# Altium PCB PCB2-v2.PcbDoc (part 5 of 8) (continued)
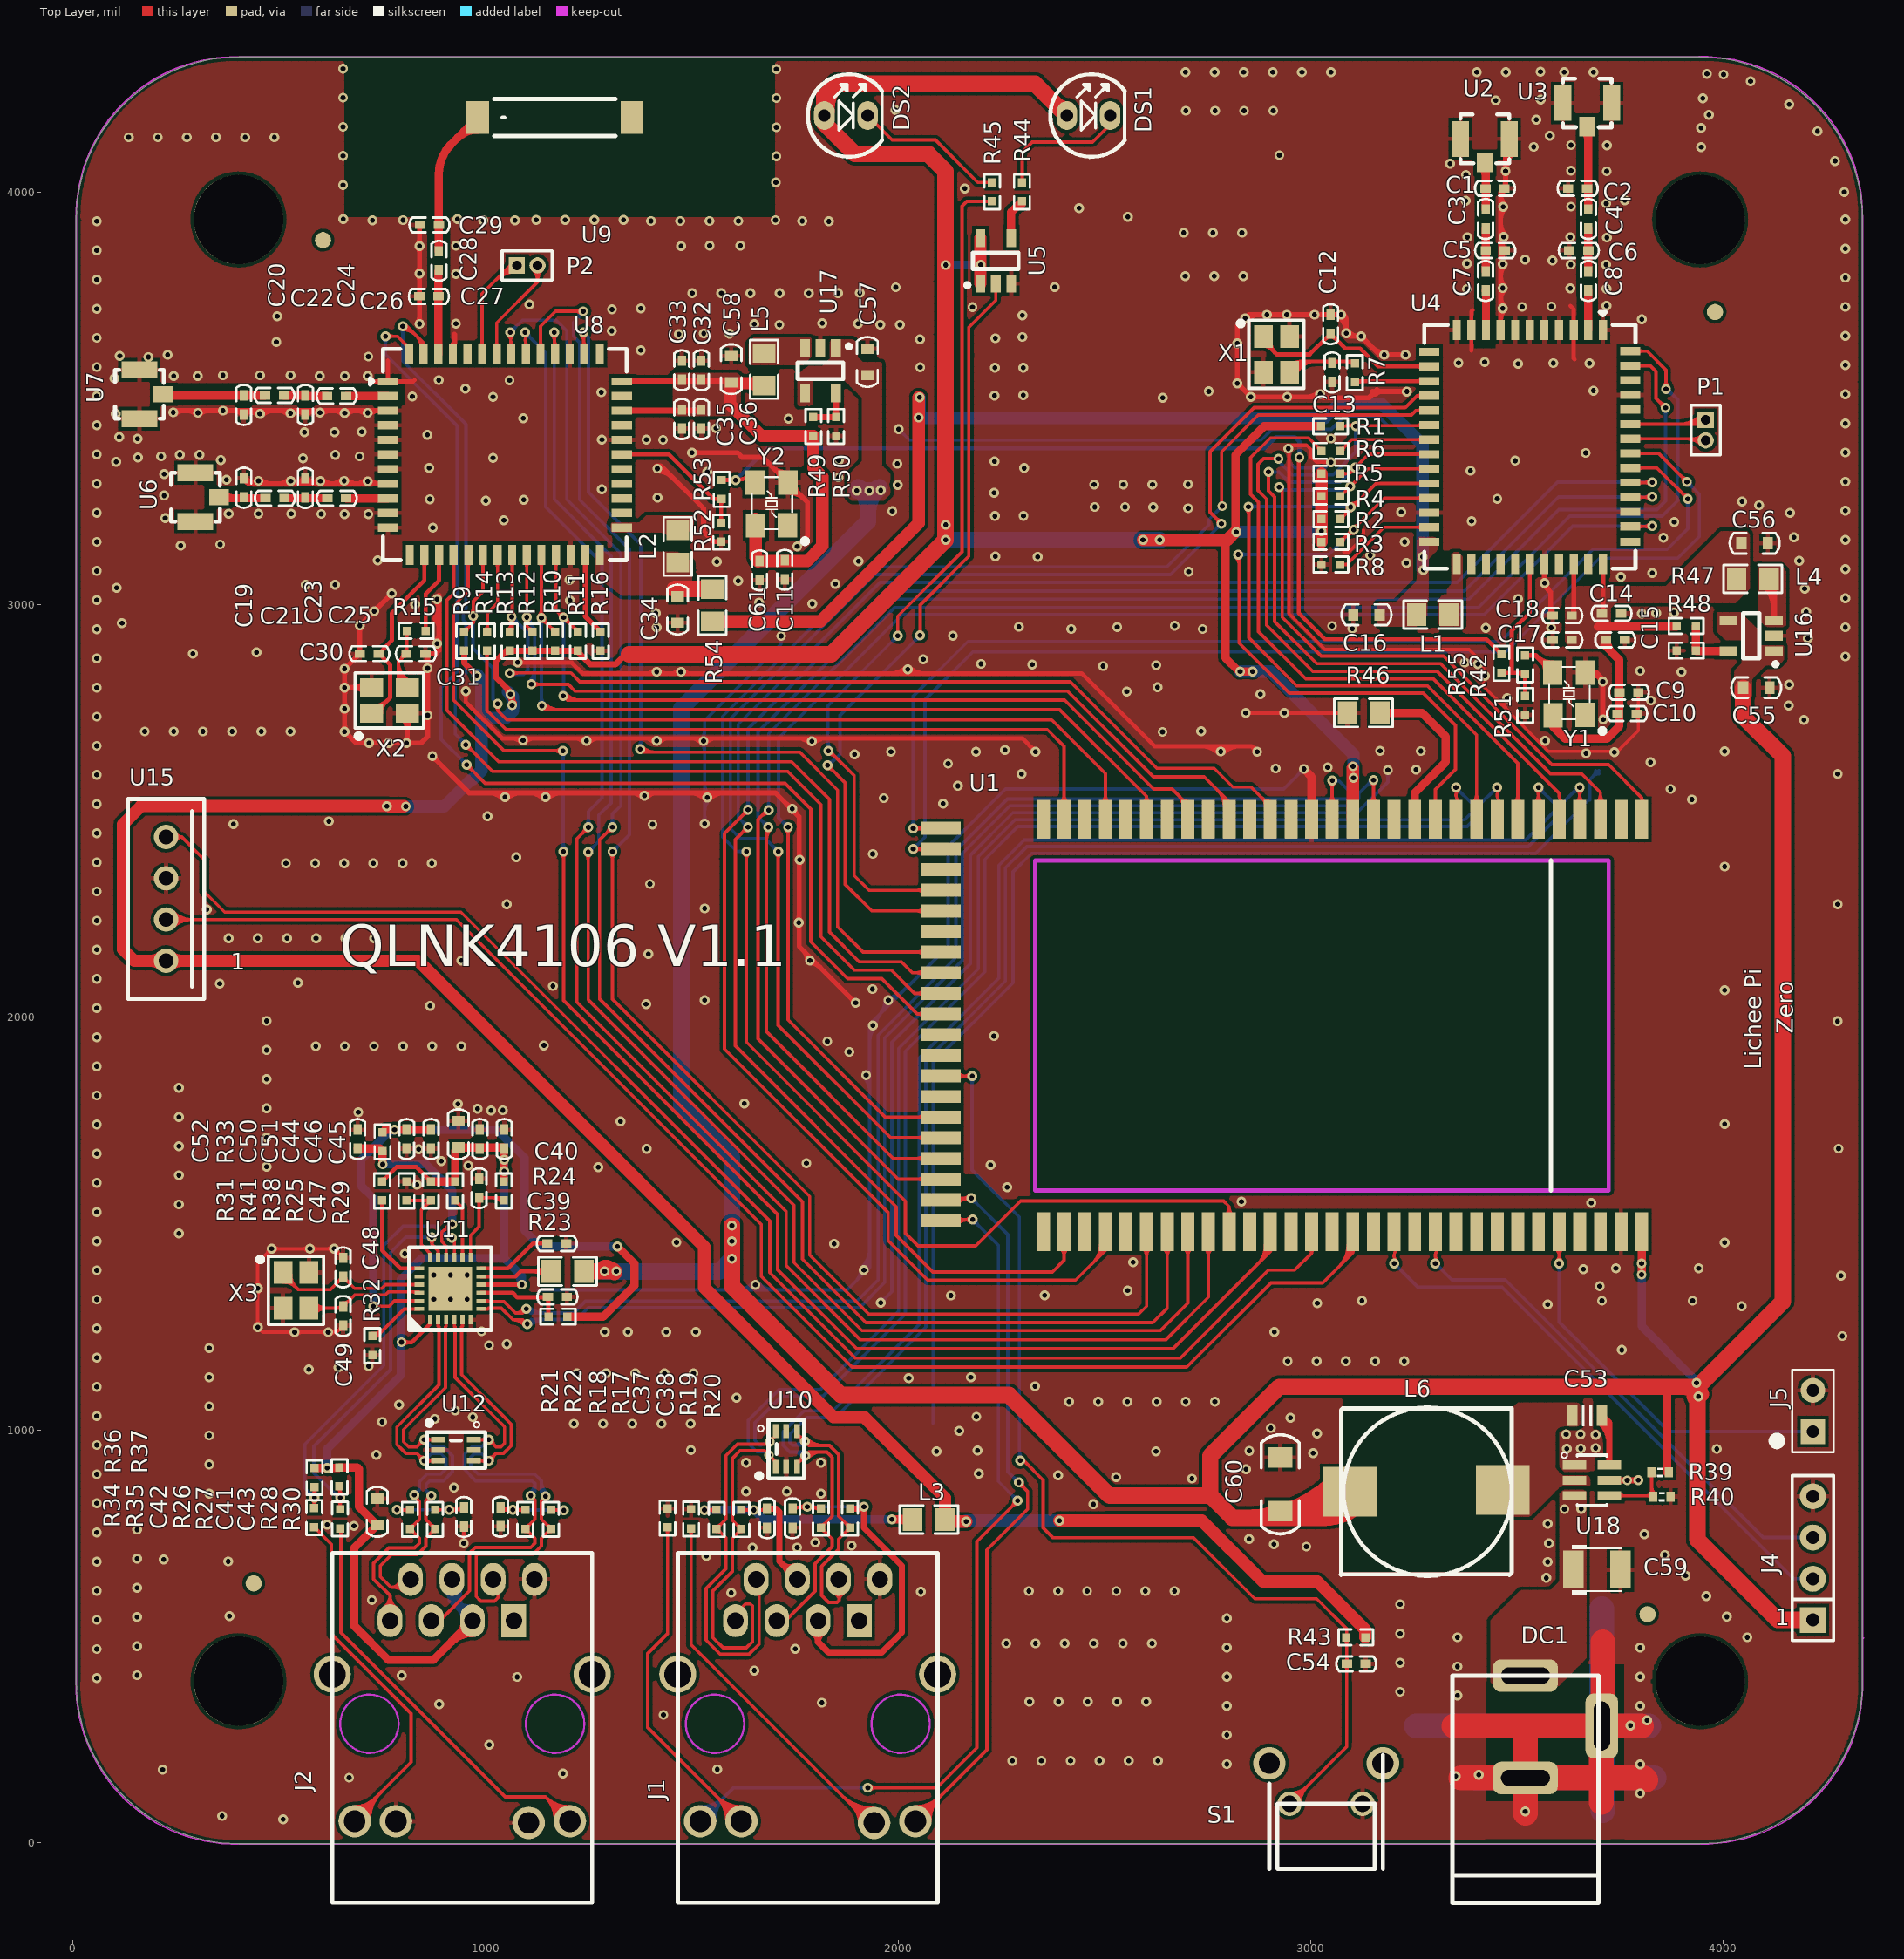
[diagram p0: Top Layer view]
## Nets (pads, with @x,y where several pads share a name; then routed paths per layer and width w, separated by ;. In a path a pad name is that pad's centre, name@x,y a point inside that pad or via, vN(x,y) a via of type N, cw(c..) or ccw(c..) an arc to the next point about the centre after c; other vN are vias at no path point) (continued)
ccw(c899.65,3643.28) 924.97,3643.28 ; U8.47@917.55,3625.38 ccw(c899.65,3643.28) 924.97,3643.28 ; U8.47@918.69,3626.17 ccw(c914.3,3635.89) 924.97,3635.89 ; U8.47@918.69,3626.17 ccw(c914.3,3635.89) 924.97,3635.89 ; U8.47@918.69,3626.17 ccw(c914.3,3635.89) 924.97,3635.89 ; U8.47@923.57,3624.63 cw(c931.5,3629.37) 924.97,3635.89 ; U8.47@923.57,3624.63 cw(c931.5,3629.37) 924.97,3635.89 ; U8.47@923.57,3624.63 cw(c931.5,3629.37) 924.97,3635.89 ; 1007.44,2543.89 cw(c1007.44,2494.39) v1@1042.44,2529.39 ; 1007.44,2543.89 cw(c1007.44,2494.39) v1@1042.44,2529.39 ; 1007.44,2543.89 cw(c1007.44,2494.39) v1@1042.44,2529.39 ; 1036.41,2543.89 cw(c1036.41,2523.36) v1@1050.92,2537.87 ; 1036.41,2543.89 cw(c1036.41,2523.36) v1@1050.92,2537.87 ; 1036.41,2543.89 cw(c1036.41,2523.36) v1@1050.92,2537.87 ; v1@1042.44,2537.87 cw(c1056.95,2523.36) 1056.95,2543.89 ; v1@1042.44,2537.87 cw(c1056.95,2523.36) 1056.95,2543.89 ; v1@1042.44,2537.87 cw(c1056.95,2523.36) 1056.95,2543.89 ; v1@1050.92,2529.39 cw(c1085.92,2494.39) 1085.92,2543.89 ; v1@1050.92,2529.39 cw(c1085.92,2494.39) 1085.92,2543.89 ; v1@1050.92,2529.39 cw(c1085.92,2494.39) 1085.92,2543.89 ; 1105.42,2543.89 cw(c1105.42,2494.39) v1@1140.42,2529.39 ; 1105.42,2543.89 cw(c1105.42,2494.39) v1@1140.42,2529.39 ; 1105.42,2543.89 cw(c1105.42,2494.39) v1@1140.42,2529.39 ; 1134.39,2543.89 cw(c1134.39,2523.36) v1@1148.91,2537.87 ; 1134.39,2543.89 cw(c1134.39,2523.36) v1@1148.91,2537.87 ; 1134.39,2543.89 cw(c1134.39,2523.36) v1@1148.91,2537.87 ; v1@1140.42,2537.87 cw(c1154.94,2523.36) 1154.94,2543.89 ; v1@1140.42,2537.87 cw(c1154.94,2523.36) 1154.94,2543.89 ; v1@1140.42,2537.87 cw(c1154.94,2523.36) 1154.94,2543.89 ; v1@1148.91,2529.39 cw(c1183.91,2494.39) 1183.91,2543.89 ; v1@1148.91,2529.39 cw(c1183.91,2494.39) 1183.91,2543.89 ; v1@1148.91,2529.39 cw(c1183.91,2494.39) 1183.91,2543.89 ; v1@1388.91,2532.59 cw(c1416.18,2505.33) 1416.18,2543.89 ; v1@1388.91,2532.59 cw(c1416.18,2505.33) 1416.18,2543.89 ; v1@1388.91,2532.59 cw(c1416.18,2505.33) 1416.18,2543.89 ; v1@1412.85,3335.21 cw(c1419.25,3324.32) 1428.18,3333.25 ; v1@1412.85,3335.21 cw(c1419.25,3324.32) 1428.18,3333.25 ; v1@1412.85,3335.21 cw(c1419.25,3324.32) 1428.18,3333.25 ; v1@1415.89,3324.04 cw(c1415.89,3272.11) 1452.6,3308.83 ; v1@1415.89,3324.04 cw(c1415.89,3272.11) 1452.6,3308.83 ; v1@1415.89,3324.04 cw(c1415.89,3272.11) 1452.6,3308.83 ; v1@1415.89,3336.04 cw(c1415.89,3313.08) 1432.12,3329.31 ; v1@1415.89,3336.04 cw(c1415.89,3313.08) 1432.12,3329.31 ; v1@1415.89,3336.04 cw(c1415.89,3313.08) 1432.12,3329.31 ; v1@1418.93,3324.86 cw(c1427.37,3310.5) 1439.15,3322.28 ; v1@1418.93,3324.86 cw(c1427.37,3310.5) 1439.15,3322.28 ; v1@1418.93,3324.86 cw(c1427.37,3310.5) 1439.15,3322.28 ; v1@1420.13,3325.79 cw(c1430.37,3315.55) 1430.37,3330.04 ; v1@1420.13,3325.79 cw(c1430.37,3315.55) 1430.37,3330.04 ; v1@1420.13,3325.79 cw(c1430.37,3315.55) 1430.37,3330.04 ; v1@1420.13,3334.28 ccw(c1430.37,3344.52) 1430.37,3330.04 ; v1@1420.13,3334.28 ccw(c1430.37,3344.52) 1430.37,3330.04 ; v1@1420.13,3334.28 ccw(c1430.37,3344.52) 1430.37,3330.04 ; 1514.37,3368.84 ccw(c1514.37,3354.36) 1504.13,3364.6 cw(c1514.37,3354.36) 1514.37,3368.84 ; 1514.37,3368.84 cw(c1514.37,3383.33) 1504.13,3373.09 ccw(c1514.37,3383.33) 1514.37,3368.84 ; 1523.77,2543.89 cw(c1523.77,2519.65) v1@1540.91,2536.79 ; 1523.77,2543.89 cw(c1523.77,2519.65) v1@1540.91,2536.79 ; 1523.77,2543.89 cw(c1523.77,2519.65) v1@1540.91,2536.79 ; v1@1532.43,2536.79 cw(c1549.57,2519.65) 1549.57,2543.89 ; v1@1532.43,2536.79 cw(c1549.57,2519.65) 1549.57,2543.89 ; v1@1532.43,2536.79 cw(c1549.57,2519.65) 1549.57,2543.89 ; 1692.25,3336.26 ccw(c1732.41,3376.42) Y2.2@1732.41,3319.62 ; 1692.25,3336.26 ccw(c1732.41,3376.42) Y2.2@1732.41,3319.62 ; 1692.25,3336.26 ccw(c1732.41,3376.42) Y2.2@1732.41,3319.62 ; 1706.51,3322 cw(c1686.51,3302) Y2.2@1714.79,3302 ; 1706.51,3322 cw(c1686.51,3302) Y2.2@1714.79,3302 ; 1706.51,3322 cw(c1686.51,3302) Y2.2@1714.79,3302 ; Y2.2@1712.73,3315.77 ccw(c1732.41,3335.45) Y2.2@1732.41,3307.62 ; Y2.2@1712.73,3315.77 ccw(c1732.41,3335.45) Y2.2@1732.41,3307.62 ; Y2.2@1712.73,3315.77 ccw(c1732.41,3335.45) Y2.2@1732.41,3307.62 ; 1728.78,2517.39 ccw(c1743.32,2531.92) v1@1743.32,2511.37 ; 1728.78,2517.39 ccw(c1743.32,2531.92) v1@1743.32,2511.37 ; 1728.78,2517.39 ccw(c1743.32,2531.92) v1@1743.32,2511.37 ; Y2.2@1732.41,3272.57 cw(c1732.41,3215.77) 1772.58,3255.93 ; Y2.2@1732.41,3272.57 cw(c1732.41,3215.77) 1772.58,3255.93 ; Y2.2@1732.41,3272.57 cw(c1732.41,3215.77) 1772.58,3255.93 ; Y2.2@1732.41,3284.57 cw(c1732.41,3256.74) Y2.2@1752.09,3276.42 ; Y2.2@1732.41,3284.57 cw(c1732.41,3256.74) Y2.2@1752.09,3276.42 ; Y2.2@1732.41,3284.57 cw(c1732.41,3256.74) Y2.2@1752.09,3276.42 ; v1@1749.32,2505.37 ccw(c1769.87,2505.37) 1755.34,2490.83 ; v1@1749.32,2505.37 ccw(c1769.87,2505.37) 1755.34,2490.83 ; v1@1749.32,2505.37 ccw(c1769.87,2505.37) 1755.34,2490.83 ; Y2.2@1750.04,3290.19 ccw(c1778.32,3290.19) 1758.32,3270.19 ; Y2.2@1750.04,3290.19 ccw(c1778.32,3290.19) 1758.32,3270.19 ; Y2.2@1750.04,3290.19 ccw(c1778.32,3290.19) 1758.32,3270.19 ; v1@1754.8,2225.39 cw(c1742.92,2213.51) 1759.72,2213.51 ; v1@1754.8,2225.39 cw(c1742.92,2213.51) 1759.72,2213.51 ; v1@1754.8,2225.39 cw(c1742.92,2213.51) 1759.72,2213.51 ; v1@1754.8,2233.87 ccw(c1742.92,2245.76) 1759.72,2245.76 ; v1@1754.8,2233.87 ccw(c1742.92,2245.76) 1759.72,2245.76 ; v1@1754.8,2233.87 ccw(c1742.92,2245.76) 1759.72,2245.76 ; 1759.72,2216.79 cw(c1771.89,2216.79) v1@1763.29,2225.39 ; 1759.72,2216.79 cw(c1771.89,2216.79) v1@1763.29,2225.39 ; 1759.72,2216.79 cw(c1771.89,2216.79) v1@1763.29,2225.39 ; 1759.72,2242.48 ccw(c1771.89,2242.48) v1@1763.29,2233.87 ; 1759.72,2242.48 ccw(c1771.89,2242.48) v1@1763.29,2233.87 ; 1759.72,2242.48 ccw(c1771.89,2242.48) v1@1763.29,2233.87 ; 1759.72,2364.12 cw(c1778.8,2364.12) v1@1765.31,2377.61 ; 1759.72,2364.12 cw(c1778.8,2364.12) v1@1765.31,2377.61 ; 1759.72,2364.12 cw(c1778.8,2364.12) v1@1765.31,2377.61 ; 1759.72,2399.59 ccw(c1778.8,2399.59) v1@1765.31,2386.1 ; 1759.72,2399.59 ccw(c1778.8,2399.59) v1@1765.31,2386.1 ; 1759.72,2399.59 ccw(c1778.8,2399.59) v1@1765.31,2386.1 ; 1769.85,2161.93 cw(c1745.55,2137.63) v1@1779.91,2137.63 ; 1769.85,2161.93 cw(c1745.55,2137.63) v1@1779.91,2137.63 ; 1769.85,2161.93 cw(c1745.55,2137.63) v1@1779.91,2137.63 ; v1@1785.91,2131.63 cw(c1785.91,2097.27) 1810.21,2121.57 ; v1@1785.91,2131.63 cw(c1785.91,2097.27) 1810.21,2121.57 ; v1@1785.91,2131.63 cw(c1785.91,2097.27) 1810.21,2121.57 ; 1886.64,2045.14 cw(c1876.4,2034.89) v1@1890.89,2034.89 ; 1886.64,2045.14 ccw(c1896.89,2055.38) v1@1896.89,2040.89 ; 1886.64,2045.14 cw(c1876.4,2034.89) v1@1890.89,2034.89 ; 1886.64,2045.14 ccw(c1896.89,2055.38) v1@1896.89,2040.89 ; 1886.64,2045.14 ccw(c1896.89,2055.38) v1@1896.89,2040.89 ; 1886.64,2045.14 cw(c1876.4,2034.89) v1@1890.89,2034.89 ; 1886.64,2045.14 ccw(c1896.89,2055.38) v1@1896.89,2040.89 ; 1886.64,2045.14 cw(c1876.4,2034.89) v1@1890.89,2034.89 ; v1@2817.64,3541.14 ccw(c2807.4,3551.38) 2821.89,3551.38 ; v1@2817.64,3541.14 ccw(c2807.4,3551.38) 2821.89,3551.38 ; v1@2817.64,3541.14 ccw(c2807.4,3551.38) 2821.89,3551.38 ; v1@2817.64,3541.14 ccw(c2807.4,3551.38) 2821.89,3551.38 ; v1@2817.64,3629.65 cw(c2807.4,3619.41) 2821.89,3619.41 ; v1@2817.64,3629.65 cw(c2807.4,3619.41) 2821.89,3619.41 ; v1@2817.64,3629.65 cw(c2807.4,3619.41) 2821.89,3619.41 ; v1@2817.64,3629.65 cw(c2807.4,3619.41) 2821.89,3619.41 ; v1@2817.64,3638.14 ccw(c2807.4,3648.38) 2821.89,3648.38 ; v1@2817.64,3638.14 ccw(c2807.4,3648.38) 2821.89,3648.38 ; v1@2817.64,3638.14 ccw(c2807.4,3648.38) 2821.89,3648.38 ; v1@2817.64,3638.14 ccw(c2807.4,3648.38) 2821.89,3648.38 ; v1@2821.89,3530.89 cw(c2821.89,3516.41) 2832.13,3526.65 ; v1@2821.89,3530.89 cw(c2821.89,3516.41) 2832.13,3526.65 ; v1@2821.89,3530.89 cw(c2821.89,3516.41) 2832.13,3526.65 ; v1@2821.89,3530.89 cw(c2821.89,3516.41) 2832.13,3526.65 ; 2821.89,3551.38 ccw(c2836.37,3551.38) v1@2826.13,3541.14 ; 2821.89,3551.38 ccw(c2836.37,3551.38) v1@2826.13,3541.14 ; 2821.89,3551.38 ccw(c2836.37,3551.38) v1@2826.13,3541.14 ; 2821.89,3551.38 ccw(c2836.37,3551.38) v1@2826.13,3541.14 ; 2821.89,3619.41 cw(c2836.37,3619.41) v1@2826.13,3629.65 ; 2821.89,3619.41 cw(c2836.37,3619.41) v1@2826.13,3629.65 ; 2821.89,3619.41 cw(c2836.37,3619.41) v1@2826.13,3629.65 ; 2821.89,3619.41 cw(c2836.37,3619.41) v1@2826.13,3629.65 ; 2821.89,3648.38 ccw(c2836.37,3648.38) v1@2826.13,3638.14 ; 2821.89,3648.38 ccw(c2836.37,3648.38) v1@2826.13,3638.14 ; 2821.89,3648.38 ccw(c2836.37,3648.38) v1@2826.13,3638.14 ; 2821.89,3648.38 ccw(c2836.37,3648.38) v1@2826.13,3638.14 ; v1@2827.89,3536.89 ccw(c2842.37,3536.89) 2832.13,3526.65 ; v1@2827.89,3536.89 ccw(c2842.37,3536.89) 2832.13,3526.65 ; v1@2827.89,3536.89 ccw(c2842.37,3536.89) 2832.13,3526.65 ; v1@2827.89,3536.89 ccw(c2842.37,3536.89) 2832.13,3526.65 ; 2830.43,3684.44 cw(c2840.7,3674.17) v1@2840.7,3688.69 ; 2830.43,3684.44 cw(c2840.7,3674.17) v1@2840.7,3688.69 ; 2830.43,3684.44 cw(c2840.7,3674.17) v1@2840.7,3688.69 ; 2830.43,3684.44 cw(c2840.7,3674.17) v1@2840.7,3688.69 ; 2830.47,3684.47 ccw(c2820.25,3694.69) v1@2834.7,3694.69 ; 2830.47,3684.47 ccw(c2820.25,3694.69) v1@2834.7,3694.69 ; 2830.47,3684.47 ccw(c2820.25,3694.69) v1@2834.7,3694.69 ; 2830.47,3684.47 ccw(c2820.25,3694.69) v1@2834.7,3694.69 ; 2844.64,3514.14 cw(c2834.4,3503.89) v1@2848.89,3503.89 ; 2844.64,3514.14 ccw(c2854.89,3524.38) v1@2854.89,3509.89 ; 2844.64,3514.14 cw(c2834.4,3503.89) v1@2848.89,3503.89 ; 2844.64,3514.14 ccw(c2854.89,3524.38) v1@2854.89,3509.89 ; 2844.64,3514.14 ccw(c2854.89,3524.38) v1@2854.89,3509.89 ; 2844.64,3514.14 cw(c2834.4,3503.89) v1@2848.89,3503.89 ; 2844.64,3514.14 ccw(c2854.89,3524.38) v1@2854.89,3509.89 ; 2844.64,3514.14 cw(c2834.4,3503.89) v1@2848.89,3503.89 ; v1@2844.94,3690.45 cw(c2875.61,3659.78) 2875.61,3703.15 ; v1@2844.94,3690.45 cw(c2875.61,3659.78) 2875.61,3703.15 ; v1@2844.94,3690.45 cw(c2875.61,3659.78) 2875.61,3703.15 ; v1@2844.94,3690.45 cw(c2875.61,3659.78) 2875.61,3703.15 ; v1@2859.13,3499.65 cw(c2869.37,3489.41) 2869.37,3503.89 ; v1@2859.13,3499.65 cw(c2869.37,3489.41) 2869.37,3503.89 ; v1@2859.13,3499.65 cw(c2869.37,3489.41) 2869.37,3503.89 ; v1@2859.13,3499.65 cw(c2869.37,3489.41) 2869.37,3503.89 ; v1@2859.13,3508.14 ccw(c2869.37,3518.38) 2869.37,3503.89 ; v1@2859.13,3508.14 ccw(c2869.37,3518.38) 2869.37,3503.89 ; v1@2859.13,3508.14 ccw(c2869.37,3518.38) 2869.37,3503.89 ; v1@2859.13,3508.14 ccw(c2869.37,3518.38) 2869.37,3503.89 ; 2879.4,3703.15 cw(c2879.4,3688.67) v1@2889.64,3698.91 ; 2879.4,3703.15 ccw(c2879.4,3717.64) v1@2889.64,3707.4 ; 2879.4,3703.15 cw(c2879.4,3688.67) v1@2889.64,3698.91 ; 2879.4,3703.15 ccw(c2879.4,3717.64) v1@2889.64,3707.4 ; 2879.4,3703.15 ccw(c2879.4,3717.64) v1@2889.64,3707.4 ; 2879.4,3703.15 cw(c2879.4,3688.67) v1@2889.64,3698.91 ; 2879.4,3703.15 ccw(c2879.4,3717.64) v1@2889.64,3707.4 ; 2879.4,3703.15 cw(c2879.4,3688.67) v1@2889.64,3698.91 ; v1@2898.13,3698.91 cw(c2908.37,3688.67) 2908.37,3703.15 ; v1@2898.13,3698.91 cw(c2908.37,3688.67) 2908.37,3703.15 ; v1@2898.13,3698.91 cw(c2908.37,3688.67) 2908.37,3703.15 ; v1@2898.13,3698.91 cw(c2908.37,3688.67) 2908.37,3703.15 ; v1@2898.13,3707.4 ccw(c2908.37,3717.64) 2908.37,3703.15 ; v1@2898.13,3707.4 ccw(c2908.37,3717.64) 2908.37,3703.15 ; v1@2898.13,3707.4 ccw(c2908.37,3717.64) 2908.37,3703.15 ; v1@2898.13,3707.4 ccw(c2908.37,3717.64) 2908.37,3703.15 ; 2927.4,3703.15 cw(c2927.4,3688.67) v1@2937.64,3698.91 ; 2927.4,3703.15 ccw(c2927.4,3717.64) v1@2937.64,3707.4 ; 2927.4,3703.15 cw(c2927.4,3688.67) v1@2937.64,3698.91 ; 2927.4,3703.15 ccw(c2927.4,3717.64) v1@2937.64,3707.4 ; 2927.4,3703.15 ccw(c2927.4,3717.64) v1@2937.64,3707.4 ; 2927.4,3703.15 cw(c2927.4,3688.67) v1@2937.64,3698.91 ; 2927.4,3703.15 ccw(c2927.4,3717.64) v1@2937.64,3707.4 ; 2927.4,3703.15 cw(c2927.4,3688.67) v1@2937.64,3698.91 ; 2928.4,3503.89 cw(c2928.4,3489.41) v1@2938.64,3499.65 ; 2928.4,3503.89 ccw(c2928.4,3518.38) v1@2938.64,3508.14 ; 2928.4,3503.89 cw(c2928.4,3489.41) v1@2938.64,3499.65 ; 2928.4,3503.89 ccw(c2928.4,3518.38) v1@2938.64,3508.14 ; 2928.4,3503.89 ccw(c2928.4,3518.38) v1@2938.64,3508.14 ; 2928.4,3503.89 cw(c2928.4,3489.41) v1@2938.64,3499.65 ; 2928.4,3503.89 ccw(c2928.4,3518.38) v1@2938.64,3508.14 ; 2928.4,3503.89 cw(c2928.4,3489.41) v1@2938.64,3499.65 ; v1@2946.13,3698.91 cw(c2956.37,3688.67) 2956.37,3703.15 ; v1@2946.13,3698.91 cw(c2956.37,3688.67) 2956.37,3703.15 ; v1@2946.13,3698.91 cw(c2956.37,3688.67) 2956.37,3703.15 ; v1@2946.13,3698.91 cw(c2956.37,3688.67) 2956.37,3703.15 ; v1@2946.13,3707.4 ccw(c2956.37,3717.64) 2956.37,3703.15 ; v1@2946.13,3707.4 ccw(c2956.37,3717.64) 2956.37,3703.15 ; v1@2946.13,3707.4 ccw(c2956.37,3717.64) 2956.37,3703.15 ; v1@2946.13,3707.4 ccw(c2956.37,3717.64) 2956.37,3703.15 ; v1@2947.13,3499.65 cw(c2957.37,3489.41) 2957.37,3503.89 ; v1@2947.13,3499.65 cw(c2957.37,3489.41) 2957.37,3503.89 ; v1@2947.13,3499.65 cw(c2957.37,3489.41) 2957.37,3503.89 ; v1@2947.13,3499.65 cw(c2957.37,3489.41) 2957.37,3503.89 ; v1@2947.13,3508.14 ccw(c2957.37,3518.38) 2957.37,3503.89 ; v1@2947.13,3508.14 ccw(c2957.37,3518.38) 2957.37,3503.89 ; v1@2947.13,3508.14 ccw(c2957.37,3518.38) 2957.37,3503.89 ; v1@2947.13,3508.14 ccw(c2957.37,3518.38) 2957.37,3503.89 ; 2991.16,3503.89 ccw(c2991.16,3542.07) v1@3018.16,3515.07 ; 2991.16,3503.89 ccw(c2991.16,3542.07) v1@3018.16,3515.07 ; 2991.16,3503.89 ccw(c2991.16,3542.07) v1@3018.16,3515.07 ; 2991.16,3503.89 ccw(c2991.16,3542.07) v1@3018.16,3515.07 ; 2994.4,3703.15 cw(c2994.4,3688.67) v1@3004.64,3698.91 ; 2994.4,3703.15 ccw(c2994.4,3717.64) v1@3004.64,3707.4 ; 2994.4,3703.15 cw(c2994.4,3688.67) v1@3004.64,3698.91 ; 2994.4,3703.15 ccw(c2994.4,3717.64) v1@3004.64,3707.4 ; 2994.4,3703.15 ccw(c2994.4,3717.64) v1@3004.64,3707.4 ; 2994.4,3703.15 cw(c2994.4,3688.67) v1@3004.64,3698.91 ; 2994.4,3703.15 ccw(c2994.4,3717.64) v1@3004.64,3707.4 ; 2994.4,3703.15 cw(c2994.4,3688.67) v1@3004.64,3698.91 ; v1@3013.13,3698.91 cw(c3023.37,3688.67) 3023.37,3703.15 ; v1@3013.13,3698.91 cw(c3023.37,3688.67) 3023.37,3703.15 ; v1@3013.13,3698.91 cw(c3023.37,3688.67) 3023.37,3703.15 ; v1@3013.13,3698.91 cw(c3023.37,3688.67) 3023.37,3703.15 ; v1@3013.13,3707.4 ccw(c3023.37,3717.64) 3023.37,3703.15 ; v1@3013.13,3707.4 ccw(c3023.37,3717.64) 3023.37,3703.15 ; v1@3013.13,3707.4 ccw(c3023.37,3717.64) 3023.37,3703.15 ; v1@3013.13,3707.4 ccw(c3023.37,3717.64) 3023.37,3703.15 ; 3059.14,3703.15 cw(c3059.14,3688.67) v1@3069.38,3698.91 ; 3059.14,3703.15 ccw(c3059.14,3717.64) v1@3069.38,3707.4 ; 3059.14,3703.15 cw(c3059.14,3688.67) v1@3069.38,3698.91 ; 3059.14,3703.15 ccw(c3059.14,3717.64) v1@3069.38,3707.4 ; 3059.14,3703.15 ccw(c3059.14,3717.64) v1@3069.38,3707.4 ; 3059.14,3703.15 cw(c3059.14,3688.67) v1@3069.38,3698.91 ; 3059.14,3703.15 ccw(c3059.14,3717.64) v1@3069.38,3707.4 ; 3059.14,3703.15 cw(c3059.14,3688.67) v1@3069.38,3698.91 ; v1@3069.38,3698.91 cw(c3029.54,3659.07) v1@3085.89,3659.07 ; v1@3069.38,3698.91 cw(c3029.54,3659.07) v1@3085.89,3659.07 ; v1@3069.38,3698.91 cw(c3029.54,3659.07) v1@3085.89,3659.07 ; v1@3069.38,3698.91 cw(c3029.54,3659.07) v1@3085.89,3659.07 ; v1@3073.63,3697.15 cw(c3073.63,3682.67) 3083.87,3692.91 ; v1@3073.63,3697.15 cw(c3073.63,3682.67) 3083.87,3692.91 ; v1@3073.63,3697.15 cw(c3073.63,3682.67) 3083.87,3692.91 ; v1@3073.63,3697.15 cw(c3073.63,3682.67) 3083.87,3692.91 ; v1@3077.87,3707.4 cw(c3058.51,3688.04) 3085.89,3688.04 ; v1@3077.87,3707.4 cw(c3058.51,3688.04) 3085.89,3688.04 ; v1@3077.87,3707.4 cw(c3058.51,3688.04) 3085.89,3688.04 ; v1@3077.87,3707.4 cw(c3058.51,3688.04) 3085.89,3688.04 ; v1@3079.63,3703.15 ccw(c3094.11,3703.15) 3083.87,3692.91 ; v1@3079.63,3703.15 ccw(c3094.11,3703.15) 3083.87,3692.91 ; v1@3079.63,3703.15 ccw(c3094.11,3703.15) 3083.87,3692.91 ; v1@3079.63,3703.15 ccw(c3094.11,3703.15) 3083.87,3692.91 ; v1@3081.64,3662.14 ccw(c3071.4,3672.38) 3085.89,3672.38 ; v1@3081.64,3662.14 ccw(c3071.4,3672.38) 3085.89,3672.38 ; v1@3081.64,3662.14 ccw(c3071.4,3672.38) 3085.89,3672.38 ; v1@3081.64,3662.14 ccw(c3071.4,3672.38) 3085.89,3672.38 ; 3085.89,3672.38 ccw(c3100.37,3672.38) v1@3090.13,3662.14 ; 3085.89,3672.38 ccw(c3100.37,3672.38) v1@3090.13,3662.14 ; 3085.89,3672.38 ccw(c3100.37,3672.38) v1@3090.13,3662.14 ; 3085.89,3672.38 ccw(c3100.37,3672.38) v1@3090.13,3662.14 ; v1@3090.13,3662.14 ccw(c3117.27,3689.28) v1@3117.27,3650.89 ; v1@3090.13,3662.14 ccw(c3117.27,3689.28) v1@3117.27,3650.89 ; v1@3090.13,3662.14 ccw(c3117.27,3689.28) v1@3117.27,3650.89 ; v1@3090.13,3662.14 ccw(c3117.27,3689.28) v1@3117.27,3650.89 ; 3107.4,3650.89 cw(c3107.4,3636.41) v1@3117.64,3646.65 ; 3107.4,3650.89 ccw(c3107.4,3665.38) v1@3117.64,3655.14 ; 3107.4,3650.89 cw(c3107.4,3636.41) v1@3117.64,3646.65 ; 3107.4,3650.89 ccw(c3107.4,3665.38) v1@3117.64,3655.14 ; 3107.4,3650.89 ccw(c3107.4,3665.38) v1@3117.64,3655.14 ; 3107.4,3650.89 cw(c3107.4,3636.41) v1@3117.64,3646.65 ; 3107.4,3650.89 ccw(c3107.4,3665.38) v1@3117.64,3655.14 ; 3107.4,3650.89 cw(c3107.4,3636.41) v1@3117.64,3646.65 ; v1@3121.89,3644.89 cw(c3121.89,3630.41) 3132.13,3640.65 ; v1@3121.89,3644.89 cw(c3121.89,3630.41) 3132.13,3640.65 ; v1@3121.89,3644.89 cw(c3121.89,3630.41) 3132.13,3640.65 ; v1@3121.89,3644.89 cw(c3121.89,3630.41) 3132.13,3640.65 ; v1@3127.89,3650.89 ccw(c3142.37,3650.89) 3132.13,3640.65 ; v1@3127.89,3650.89 ccw(c3142.37,3650.89) 3132.13,3640.65 ; v1@3127.89,3650.89 ccw(c3142.37,3650.89) 3132.13,3640.65 ; v1@3127.89,3650.89 ccw(c3142.37,3650.89) 3132.13,3640.65 ; 3145.64,3506.65 cw(c3155.89,3496.41) 3155.89,3510.89 ; 3145.64,3506.65 ccw(c3135.4,3516.89) 3149.89,3516.89 ; 3145.64,3506.65 cw(c3155.89,3496.41) 3155.89,3510.89 ; 3145.64,3506.65 ccw(c3135.4,3516.89) 3149.89,3516.89 ; 3145.64,3506.65 ccw(c3135.4,3516.89) 3149.89,3516.89 ; 3145.64,3506.65 cw(c3155.89,3496.41) 3155.89,3510.89 ; 3145.64,3506.65 ccw(c3135.4,3516.89) 3149.89,3516.89 ; 3145.64,3506.65 cw(c3155.89,3496.41) 3155.89,3510.89 ; 3148.87,3623.91 ccw(c3177.89,3652.93) v1@3177.89,3611.89 ; 3148.87,3623.91 ccw(c3177.89,3652.93) v1@3177.89,3611.89 ; 3148.87,3623.91 ccw(c3177.89,3652.93) v1@3177.89,3611.89 ; 3148.87,3623.91 ccw(c3177.89,3652.93) v1@3177.89,3611.89 ; 3160.13,3512.65 cw(c3170.37,3502.41) 3170.37,3516.89 ; 3160.13,3512.65 cw(c3170.37,3502.41) 3170.37,3516.89 ; 3160.13,3512.65 cw(c3170.37,3502.41) 3170.37,3516.89 ; 3160.13,3512.65 cw(c3170.37,3502.41) 3170.37,3516.89 ; 3160.13,3521.14 ccw(c3170.37,3531.38) 3170.37,3516.89 ; 3160.13,3521.14 ccw(c3170.37,3531.38) 3170.37,3516.89 ; 3160.13,3521.14 ccw(c3170.37,3531.38) 3170.37,3516.89 ; 3160.13,3521.14 ccw(c3170.37,3531.38) 3170.37,3516.89 ; v1@3182.13,3601.65 cw(c3192.37,3591.41) 3192.37,3605.89 ; v1@3182.13,3601.65 cw(c3192.37,3591.41) 3192.37,3605.89 ; v1@3182.13,3601.65 cw(c3192.37,3591.41) 3192.37,3605.89 ; v1@3182.13,3601.65 cw(c3192.37,3591.41) 3192.37,3605.89 ; v1@3182.13,3610.14 ccw(c3192.37,3620.38) 3192.37,3605.89 ; v1@3182.13,3610.14 ccw(c3192.37,3620.38) 3192.37,3605.89 ; v1@3182.13,3610.14 ccw(c3192.37,3620.38) 3192.37,3605.89 ; v1@3182.13,3610.14 ccw(c3192.37,3620.38) 3192.37,3605.89 ; 3215.4,3605.89 cw(c3215.4,3591.41) v1@3225.64,3601.65 ; 3215.4,3605.89 ccw(c3215.4,3620.38) v1@3225.64,3610.14 ; 3215.4,3605.89 cw(c3215.4,3591.41) v1@3225.64,3601.65 ; 3215.4,3605.89 ccw(c3215.4,3620.38) v1@3225.64,3610.14 ; 3215.4,3605.89 ccw(c3215.4,3620.38) v1@3225.64,3610.14 ; 3215.4,3605.89 cw(c3215.4,3591.41) v1@3225.64,3601.65 ; 3215.4,3605.89 ccw(c3215.4,3620.38) v1@3225.64,3610.14 ; 3215.4,3605.89 cw(c3215.4,3591.41) v1@3225.64,3601.65 ; 3218.4,3516.89 cw(c3218.4,3502.41) v1@3228.64,3512.65 ; 3218.4,3516.89 ccw(c3218.4,3531.38) v1@3228.64,3521.14 ; 3218.4,3516.89 cw(c3218.4,3502.41) v1@3228.64,3512.65 ; 3218.4,3516.89 ccw(c3218.4,3531.38) v1@3228.64,3521.14 ; 3218.4,3516.89 ccw(c3218.4,3531.38) v1@3228.64,3521.14 ; 3218.4,3516.89 cw(c3218.4,3502.41) v1@3228.64,3512.65 ; 3218.4,3516.89 ccw(c3218.4,3531.38) v1@3228.64,3521.14 ; 3218.4,3516.89 cw(c3218.4,3502.41) v1@3228.64,3512.65 ; 3581.82,2988.72 ccw(c3598.68,2988.72) C18.2@3586.76,2976.79 ; 3581.82,2988.72 ccw(c3598.68,2988.72) C18.2@3586.76,2976.79 ; 3581.82,2988.72 ccw(c3598.68,2988.72) C18.2@3586.76,2976.79 ; Y1.2@3662.99,2835.86 cw(c3675.78,2805.77) 3698.89,2828.89 ; Y1.2@3662.99,2835.86 cw(c3675.78,2805.77) 3698.89,2828.89 ; Y1.2@3662.99,2835.86 cw(c3675.78,2805.77) 3698.89,2828.89 ; Y1.2@3667.68,2824.81 cw(c3683.28,2788.13) v1@3711.46,2816.31 ; Y1.2@3667.68,2824.81 cw(c3683.28,2788.13) v1@3711.46,2816.31 ; Y1.2@3667.68,2824.81 cw(c3683.28,2788.13) v1@3711.46,2816.31 ; Y1.2@3681.76,2829.13 cw(c3691.88,2824.93) 3691.88,2835.89 ; Y1.2@3681.76,2829.13 cw(c3691.88,2824.93) 3691.88,2835.89 ; Y1.2@3681.76,2829.13 cw(c3691.88,2824.93) 3691.88,2835.89 ; Y1.2@3681.76,2842.65 ccw(c3691.88,2846.86) 3691.88,2835.89 ; Y1.2@3681.76,2842.65 ccw(c3691.88,2846.86) 3691.88,2835.89 ; Y1.2@3681.76,2842.65 ccw(c3691.88,2846.86) 3691.88,2835.89 ; 3693.45,2834.32 cw(c3673.1,2813.97) v1@3701.89,2813.97 ; 3693.45,2834.32 cw(c3673.1,2813.97) v1@3701.89,2813.97 ; 3693.45,2834.32 cw(c3673.1,2813.97) v1@3701.89,2813.97 ; v1@3703.64,2809.73 cw(c3693.4,2799.48) 3707.89,2799.48 ; v1@3703.64,2809.73 cw(c3693.4,2799.48) 3707.89,2799.48 ; v1@3703.64,2809.73 cw(c3693.4,2799.48) 3707.89,2799.48 ; v1@3704.68,2725.88 ccw(c3696.95,2733.61) 3707.89,2733.61 ; v1@3704.68,2725.88 ccw(c3696.95,2733.61) 3707.89,2733.61 ; v1@3704.68,2725.88 ccw(c3696.95,2733.61) 3707.89,2733.61 ; 3707.89,2738.63 ccw(c3725.93,2738.63) v1@3713.17,2725.88 ; 3707.89,2738.63 ccw(c3725.93,2738.63) v1@3713.17,2725.88 ; 3707.89,2738.63 ccw(c3725.93,2738.63) v1@3713.17,2725.88 ; 3707.89,2799.48 cw(c3722.37,2799.48) v1@3712.13,2809.73 ; 3707.89,2799.48 cw(c3722.37,2799.48) v1@3712.13,2809.73 ; 3707.89,2799.48 cw(c3722.37,2799.48) v1@3712.13,2809.73 ; 387.5,3470.58 cw(c387.5,3438.12) 410.45,3461.07 ccw(c387.5,3438.12) 387.5,3470.58 ; C20.2@416.11,3461.07 cw(c439.06,3438.12) 439.06,3470.58 ccw(c439.06,3438.12) C20.2@416.11,3461.07 ; C19.1@416.56,3307.03 ccw(c449.43,3339.89) 449.43,3293.41 cw(c449.43,3339.89) C19.1@416.56,3307.03 ; v1@528.41,3293.41 ccw(c528.41,3337.96) 559.91,3306.46 cw(c528.41,3337.96) v1@528.41,3293.41 ; 537.13,3470.58 cw(c537.13,3438.12) 560.08,3461.07 ccw(c537.13,3438.12) 537.13,3470.58 ; C23.1@557.08,3297.98 ccw(c568.1,3308.99) 568.1,3293.41 cw(c568.1,3308.99) C23.1@557.08,3297.98 ; 557.38,3293.41 ccw(c557.38,3308.99) 568.4,3297.98 cw(c557.38,3308.99) 557.38,3293.41 ; C23.1@565.57,3306.46 ccw(c597.07,3337.96) 597.07,3293.41 cw(c597.07,3337.96) C23.1@565.57,3306.46 ; C24.2@565.73,3461.07 cw(c588.68,3438.12) 588.68,3470.58 ccw(c588.68,3438.12) C24.2@565.73,3461.07 ; 876.64,2966.65 cw(c852.85,2942.85) 886.5,2942.85 ccw(c852.85,2942.85) 876.64,2966.65 ; 876.64,2975.14 ccw(c852.85,2998.93) 886.5,2998.93 cw(c852.85,2998.93) 876.64,2975.14 ; 1353.16,2543.89 cw(c1353.16,2505.33) 1380.43,2532.59 ccw(c1353.16,2505.33) 1353.16,2543.89 ; 1494.8,2543.89 cw(c1494.8,2490.67) 1532.43,2528.3 ccw(c1494.8,2490.67) 1494.8,2543.89 ; v1@1540.91,2528.3 cw(c1578.54,2490.67) 1578.54,2543.89 ccw(c1578.54,2490.67) v1@1540.91,2528.3 ; v1@1755.32,3147.54 ccw(c1755.32,3161.89) 1765.46,3151.74 cw(c1755.32,3161.89) v1@1755.32,3147.54 ; v1@1761.32,3141.54 cw(c1775.95,3141.54) 1765.6,3151.88 ccw(c1775.95,3141.54) v1@1761.32,3141.54 ; v1@3460.11,3831.11 cw(c3495.12,3831.11) 3470.37,3855.86 ccw(c3495.12,3831.11) v1@3460.11,3831.11 ; v1@3460.11,3886.27 ccw(c3495.12,3886.27) 3470.37,3861.52 cw(c3495.12,3886.27) v1@3460.11,3886.27 ; v1@3562.34,3056.71 ccw(c3552.5,3066.55) 3566.41,3066.55 cw(c3552.5,3066.55) v1@3562.34,3056.71 ; 3566.41,3067.36 ccw(c3581.47,3067.36) 3570.82,3056.71 cw(c3581.47,3067.36) 3566.41,3067.36 ; v1@3572.48,3051.34 ccw(c3591.45,3047.72) 3577.79,3034.06 cw(c3591.45,3047.72) v1@3572.48,3051.34
  Top Layer w20: v1(2983.41,2601.86) 3001.96,2583.3 U1.47@3001.96,2480.2
  Top Layer w60: 3346.92,282.19 3525.73,282.19 ; 3364.3,156.21 DC1.3@3520.36,156.21 ; v1@3520.36,71.1 DC1.3@3520.36,156.21 ; 3703.89,96.79 DC1.2@3703.89,217.4 ; DC1.2@3705.4,294.95 DC1.2@3707.89,292.46 ; 3707.89,485.65 DC1.2@3707.89,292.46 ; DC1.2@3709.21,291.14 DC1.2@3707.89,292.46 ; 3801.87,282.19 DC1.2@3705.4,282.19 ; 3811.89,151.44 3807.12,156.21 DC1.3@3520.36,156.21 ; DC1.3@3520.36,156.21 3520.36,276.82 3525.73,282.19 ; 3525.73,282.19 DC1.2@3705.4,282.19 ; DC1.2@3705.4,282.19 3707.89,284.68 DC1.2@3707.89,292.46